# Altium PCB linux_corePCB.PcbDoc (continued)
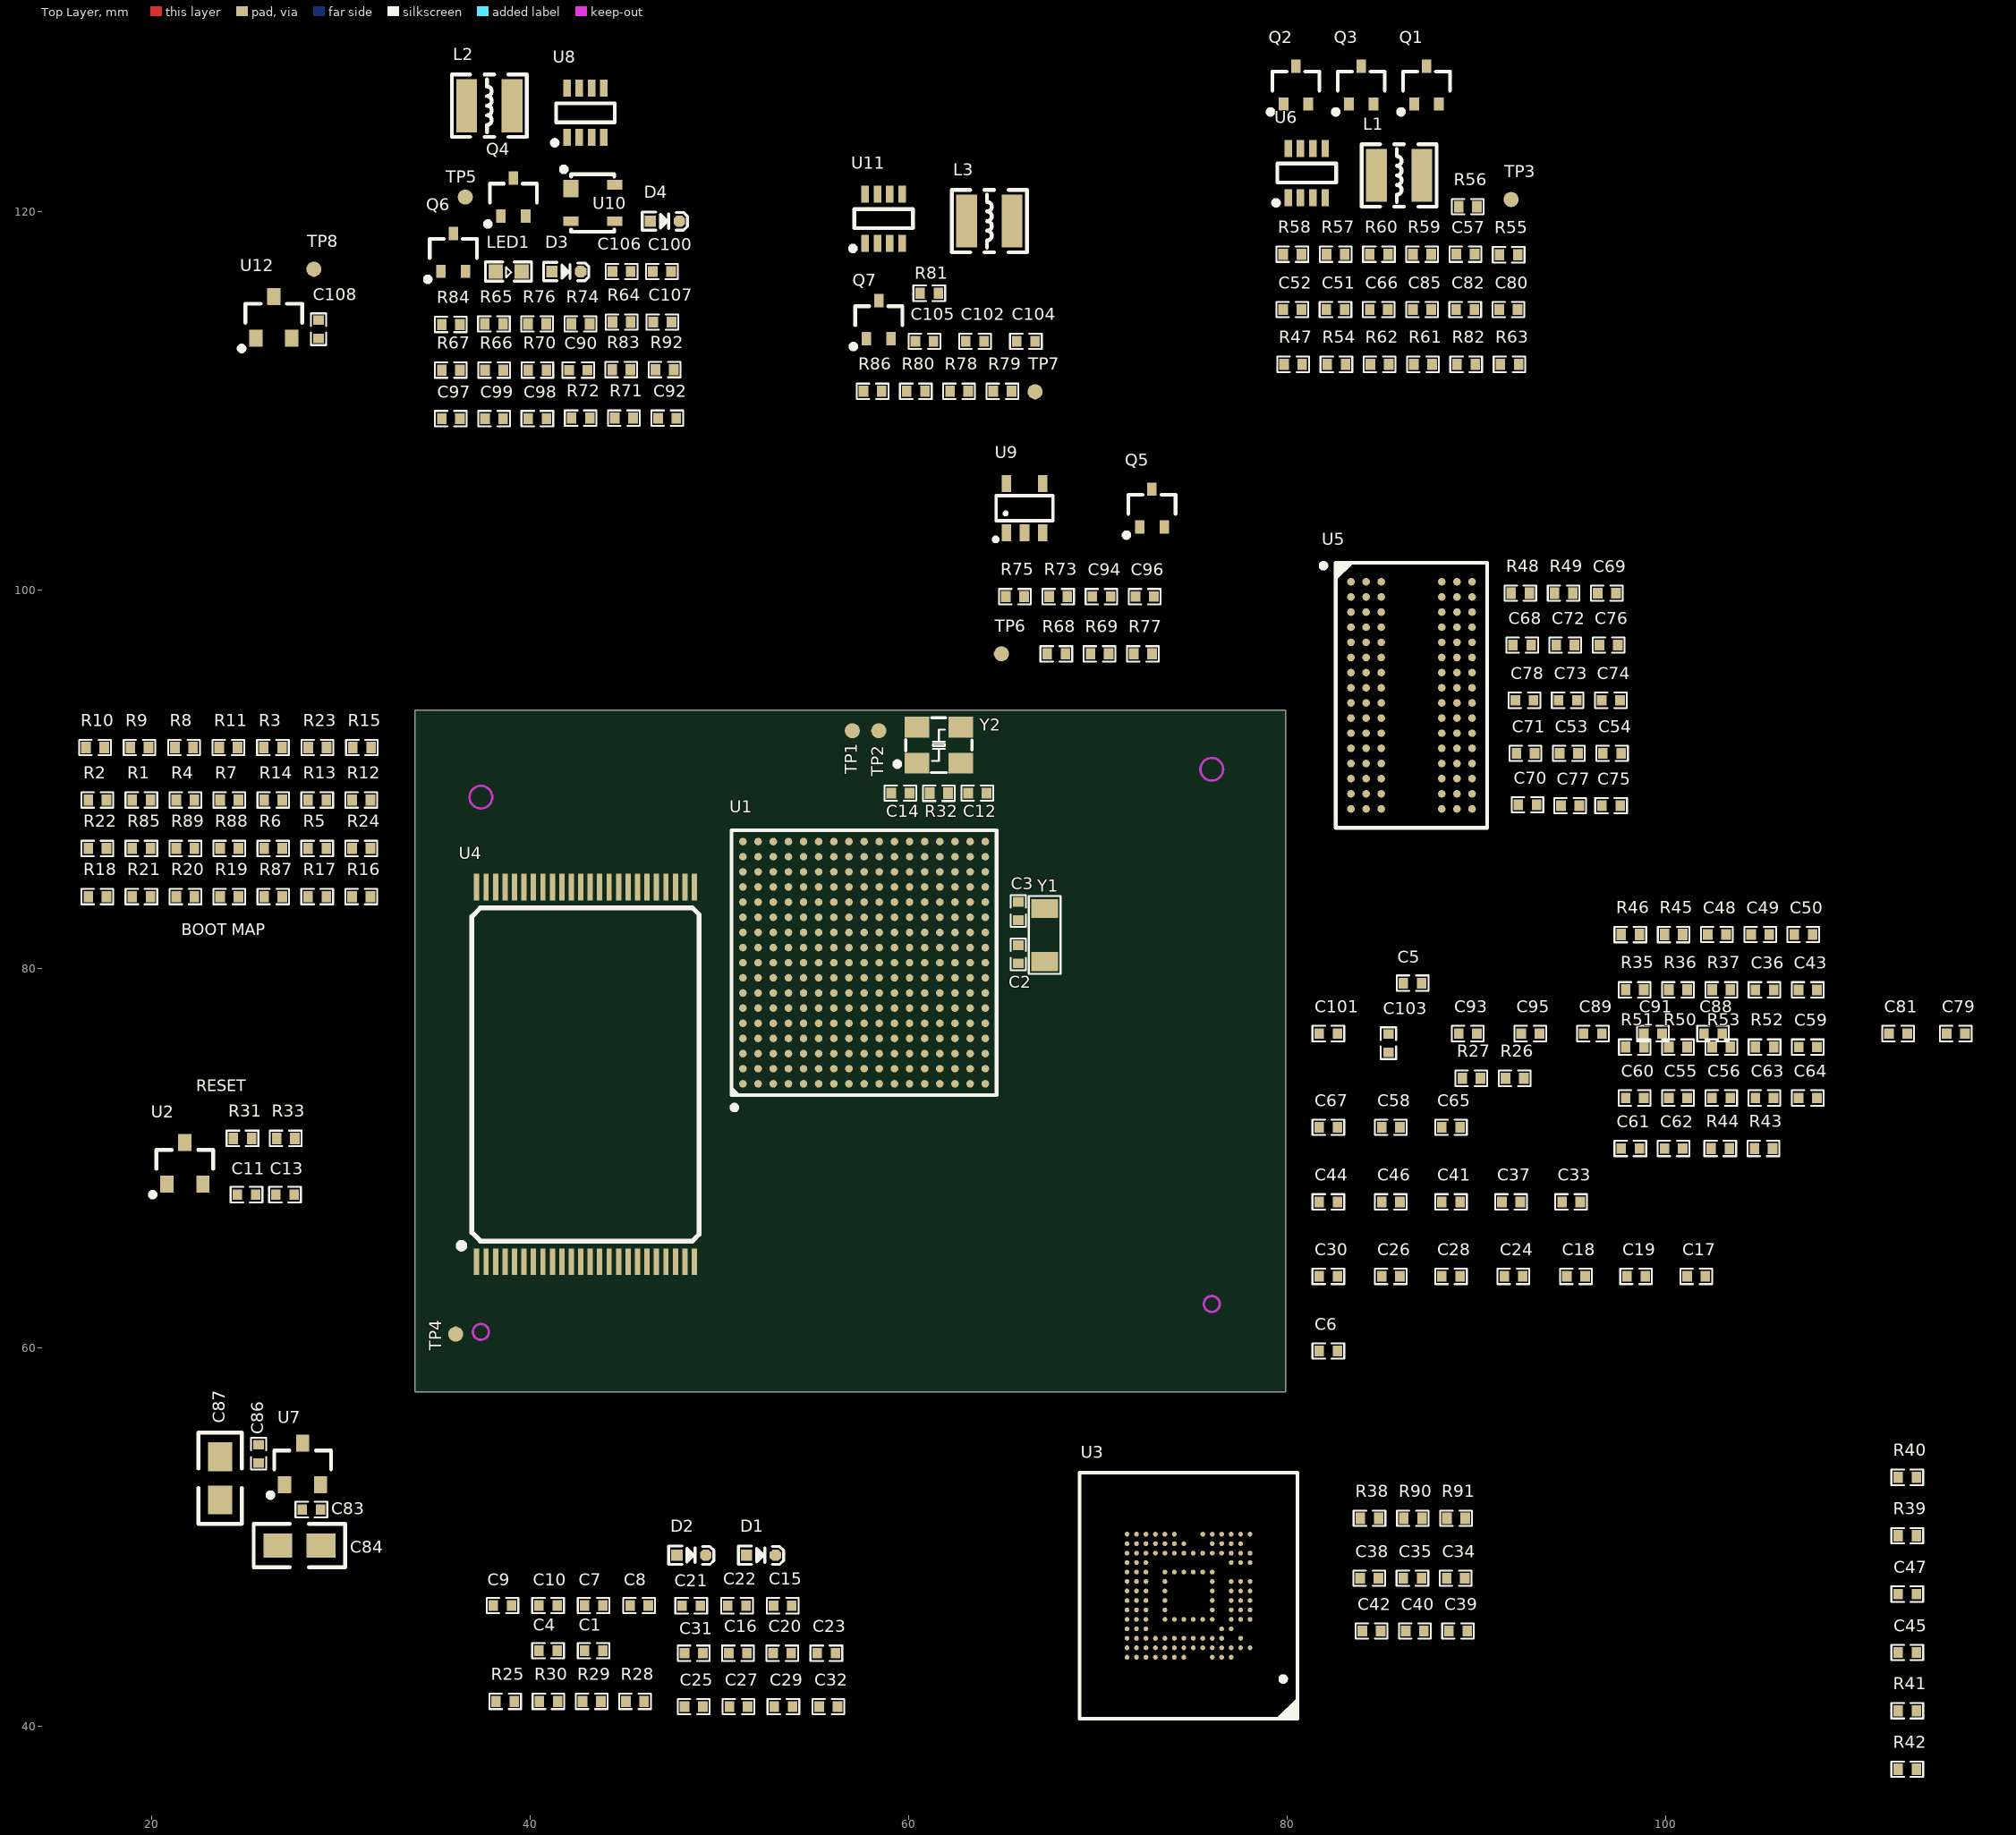
[diagram p0: Top Layer view]
## Components (designator, comment, footprint, x,y, rotation, side; value= is the part's Value field where it differs from the comment) (continued)
TP5 "DC3V3" TP-1.0 36.576,120.777 r0 top
TP6 "NVCC_SD" TP-1.0 64.897,96.647 r0 top
TP7 "1V35" TP-1.0 66.675,110.49 r0 top
TP8 "VCC_CSI" TP-1.0 28.575,116.967 r0 top
U1 "MCIMX6Y2CVM05AB" BGA289C80P17X17_1400X1400X132 57.645,80.327 r90 top
U2 "NCP803SN293T1G" SOT23-3L 21.762,69.724 r0 top
U3 "KLM8G1GETF" "BGA169  EMMC" 74.783,46.883 r180 top
U4 "MT29F4G08ABADAWP-IT" TSOP48 42.926,74.422 r90 top
U5 "NT5CC256M16EP-EK" BGA96 86.561,94.452 r0 top
U6 "MP2144" SOT23-8L 81.026,122.047 r0 top
U7 "xc6206-3V3" SOT23-3L 27.985,53.849 r0 top
U8 "MP2144" SOT23-8L 42.926,125.222 r0 top
U9 "UM1750S-00" SOT23-5L 66.119,104.341 r0 top
U10 "UM805RE" SOT143 42.164,121.227 r0 top
U11 "MP2144" SOT23-8L 58.674,119.634 r0 top
U12 "xc6206-2V8" SOT23-3L 26.461,114.428 r0 top
Y1 "32.768KHz" XTAL-3215 67.183,81.788 r270 top
Y2 "24MHz" XTAL-3225 61.595,91.821 r0 top

## Footprints (in the part's own frame and the unit in brackets; to place one, negate y for a bottom-side part, rotate by r counter-clockwise, add the part's x,y. Pads: shape width x height; smd on the part's side, far side on the other; paste and mask are expansions set on the pad)
3710F060046G3FT01 [mm]
  rect 1.7x0.35 smd: 1(-4.7,0) 2(-4.7,-0.8) 3(-4.7,-1.6) 4(-4.7,-2.4) 5(-4.7,-3.2) 6(-4.7,-4) 7(-4.7,-4.8) 8(-4.7,-5.6) 9(-4.7,-6.4) 10(-4.7,-7.2) 11(-4.7,-8) 12(-4.7,-8.8) 13(-4.7,-9.6) 14(-4.7,-10.4) 15(-4.7,-11.2) 16(-4.7,-12) 17(-4.7,-12.8) 18(-4.7,-13.6) 19(-4.7,-14.4) 20(-4.7,-15.2) 21(-4.7,-16) 22(-4.7,-16.8) 23(-4.7,-17.6) 24(-4.7,-18.4) 25(-4.7,-19.2) 26(-4.7,-20) 27(-4.7,-20.8) 28(-4.7,-21.6) 29(-4.7,-22.4) 30(-4.7,-23.2) 31(0,-23.2) 32(0,-22.4) 33(0,-21.6) 34(0,-20.8) 35(0,-20) 36(0,-19.2) 37(0,-18.4) 38(0,-17.6) 39(0,-16.8) 40(0,-16) 41(0,-15.2) 42(0,-14.4) 43(0,-13.6) 44(0,-12.8) 45(0,-12) 46(0,-11.2) 47(0,-10.4) 48(0,-9.6) 49(0,-8.8) 50(0,-8) 51(0,-7.2) 52(0,-6.4) 53(0,-5.6) 54(0,-4.8) 55(0,-4) 56(0,-3.2) 57(0,-2.4) 58(0,-1.6) 59(0,-0.8) 60(0,0)
  Keep-Out Layer circle w0.127: c-2.35,-25.725 r0.6
  Keep-Out Layer circle w0.127: c-2.35,2.525 r0.42
  silkscreen extent -5.35,-26.47 0.65,3.27
BGA96 [mm]
  round 0.4 smd: A1(-3.2,6) A2(-2.4,6) A3(-1.6,6) A7(1.6,6) A8(2.4,6) A9(3.2,6) B1(-3.2,5.2) B2(-2.4,5.2) B3(-1.6,5.2) B7(1.6,5.2) B8(2.4,5.2) B9(3.2,5.2) C1(-3.2,4.4) C2(-2.4,4.4) C3(-1.6,4.4) C7(1.6,4.4) C8(2.4,4.4) C9(3.2,4.4) D1(-3.2,3.6) D2(-2.4,3.6) D3(-1.6,3.6) D7(1.6,3.6) D8(2.4,3.6) D9(3.2,3.6) E1(-3.2,2.8) E2(-2.4,2.8) E3(-1.6,2.8) E7(1.6,2.8) E8(2.4,2.8) E9(3.2,2.8) F1(-3.2,2) F2(-2.4,2) F3(-1.6,2) F7(1.6,2) F8(2.4,2) F9(3.2,2) G1(-3.2,1.2) G2(-2.4,1.2) G3(-1.6,1.2) G7(1.6,1.2) G8(2.4,1.2) G9(3.2,1.2) H1(-3.2,0.4) H2(-2.4,0.4) H3(-1.6,0.4) H7(1.6,0.4) H8(2.4,0.4) H9(3.2,0.4) J1(-3.2,-0.4) J2(-2.4,-0.4) J3(-1.6,-0.4) J7(1.6,-0.4) J8(2.4,-0.4) J9(3.2,-0.4) K1(-3.2,-1.2) K2(-2.4,-1.2) K3(-1.6,-1.2) K7(1.6,-1.2) K8(2.4,-1.2) K9(3.2,-1.2) L1(-3.2,-2) L2(-2.4,-2) L3(-1.6,-2) L7(1.6,-2) L8(2.4,-2) L9(3.2,-2) M1(-3.2,-2.8) M2(-2.4,-2.8) M3(-1.6,-2.8) M7(1.6,-2.8) M8(2.4,-2.8) M9(3.2,-2.8) N1(-3.2,-3.6) N2(-2.4,-3.6) N3(-1.6,-3.6) N7(1.6,-3.6) N8(2.4,-3.6) N9(3.2,-3.6) P1(-3.2,-4.4) P2(-2.4,-4.4) P3(-1.6,-4.4) P7(1.6,-4.4) P8(2.4,-4.4) P9(3.2,-4.4) R1(-3.2,-5.2) R2(-2.4,-5.2) R3(-1.6,-5.2) R7(1.6,-5.2) R8(2.4,-5.2) R9(3.2,-5.2) T1(-3.2,-6) T2(-2.4,-6) T3(-1.6,-6) T7(1.6,-6) T8(2.4,-6) T9(3.2,-6)
  silkscreen extent -4.77,-7 4,7, body extent -4,-7 4,7, height 1.2
"BGA169  EMMC" [mm]
  round 0.25 smd: A3(-2.25,3.25) A4(-1.75,3.25) A5(-1.25,3.25) A8(0.25,3.25) A9(0.75,3.25) A10(1.25,3.25) A11(1.75,3.25) A12(2.25,3.25) A13(2.75,3.25) A14(3.25,3.25) B1(-3.25,2.75) B2(-2.75,2.75) B3(-2.25,2.75) B4(-1.75,2.75) B5(-1.25,2.75) B6(-0.75,2.75) B7(-0.25,2.75) B8(0.25,2.75) B9(0.75,2.75) B10(1.25,2.75) B11(1.75,2.75) B12(2.25,2.75) B13(2.75,2.75) B14(3.25,2.75) C2(-2.75,2.25) C4(-1.75,2.25) C5(-1.25,2.25) C6(-0.75,2.25) C7(-0.25,2.25) C8(0.25,2.25) C9(0.75,2.25) C10(1.25,2.25) C11(1.75,2.25) C12(2.25,2.25) C13(2.75,2.25) C14(3.25,2.25) D3(-2.25,1.75) D4(-1.75,1.75) D12(2.25,1.75) D13(2.75,1.75) D14(3.25,1.75) E1(-3.25,1.25) E2(-2.75,1.25) E3(-2.25,1.25) E5(-1.25,1.25) E6(-0.75,1.25) E7(-0.25,1.25) E8(0.25,1.25) E9(0.75,1.25) E10(1.25,1.25) E12(2.25,1.25) E13(2.75,1.25) E14(3.25,1.25) F1(-3.25,0.75) F2(-2.75,0.75) F3(-2.25,0.75) F5(-1.25,0.75) F10(1.25,0.75) F12(2.25,0.75) F13(2.75,0.75) F14(3.25,0.75) G1(-3.25,0.25) G2(-2.75,0.25) G3(-2.25,0.25) G5(-1.25,0.25) G10(1.25,0.25) G12(2.25,0.25) G13(2.75,0.25) G14(3.25,0.25) H1(-3.25,-0.25) H2(-2.75,-0.25) H3(-2.25,-0.25) H5(-1.25,-0.25) H10(1.25,-0.25) H12(2.25,-0.25) H13(2.75,-0.25) H14(3.25,-0.25) J1(-3.25,-0.75) J2(-2.75,-0.75) J3(-2.25,-0.75) J5(-1.25,-0.75) J10(1.25,-0.75) J12(2.25,-0.75) J13(2.75,-0.75) J14(3.25,-0.75) K5(-1.25,-1.25) K6(-0.75,-1.25) K7(-0.25,-1.25) K8(0.25,-1.25) K9(0.75,-1.25) K10(1.25,-1.25) K12(2.25,-1.25) K13(2.75,-1.25) K14(3.25,-1.25) L1(-3.25,-1.75) L2(-2.75,-1.75) L3(-2.25,-1.75) L12(2.25,-1.75) L13(2.75,-1.75) L14(3.25,-1.75) M1(-3.25,-2.25) M2(-2.75,-2.25) M3(-2.25,-2.25) M4(-1.75,-2.25) M5(-1.25,-2.25) M6(-0.75,-2.25) M7(-0.25,-2.25) M8(0.25,-2.25) M9(0.75,-2.25) M10(1.25,-2.25) M11(1.75,-2.25) M12(2.25,-2.25) M13(2.75,-2.25) M14(3.25,-2.25) N2(-2.75,-2.75) N3(-2.25,-2.75) N4(-1.75,-2.75) N5(-1.25,-2.75) N8(0.25,-2.75) N9(0.75,-2.75) N10(1.25,-2.75) N11(1.75,-2.75) N12(2.25,-2.75) N13(2.75,-2.75) N14(3.25,-2.75) P1(-3.25,-3.25) P2(-2.75,-3.25) P3(-2.25,-3.25) P4(-1.75,-3.25) P5(-1.25,-3.25) P6(-0.75,-3.25) P9(0.75,-3.25) P10(1.25,-3.25) P11(1.75,-3.25) P12(2.25,-3.25) P13(2.75,-3.25) P14(3.25,-3.25)
  silkscreen extent -5.75,-6.5 5.75,6.5
BGA289C80P17X17_1400X1400X132 [mm]
  round 0.4 smd: A1(-6.4,6.4) A2(-5.6,6.4) A3(-4.8,6.4) A4(-4,6.4) A5(-3.2,6.4) A6(-2.4,6.4) A7(-1.6,6.4) A8(-0.8,6.4) A9(0,6.4) A10(0.8,6.4) A11(1.6,6.4) A12(2.4,6.4) A13(3.2,6.4) A14(4,6.4) A15(4.8,6.4) A16(5.6,6.4) A17(6.4,6.4) B1(-6.4,5.6) B2(-5.6,5.6) B3(-4.8,5.6) B4(-4,5.6) B5(-3.2,5.6) B6(-2.4,5.6) B7(-1.6,5.6) B8(-0.8,5.6) B9(0,5.6) B10(0.8,5.6) B11(1.6,5.6) B12(2.4,5.6) B13(3.2,5.6) B14(4,5.6) B15(4.8,5.6) B16(5.6,5.6) B17(6.4,5.6) C1(-6.4,4.8) C2(-5.6,4.8) C3(-4.8,4.8) C4(-4,4.8) C5(-3.2,4.8) C6(-2.4,4.8) C7(-1.6,4.8) C8(-0.8,4.8) C9(0,4.8) C10(0.8,4.8) C11(1.6,4.8) C12(2.4,4.8) C13(3.2,4.8) C14(4,4.8) C15(4.8,4.8) C16(5.6,4.8) C17(6.4,4.8) D1(-6.4,4) D2(-5.6,4) D3(-4.8,4) D4(-4,4) D5(-3.2,4) D6(-2.4,4) D7(-1.6,4) D8(-0.8,4) D9(0,4) D10(0.8,4) D11(1.6,4) D12(2.4,4) D13(3.2,4) D14(4,4) D15(4.8,4) D16(5.6,4) D17(6.4,4) E1(-6.4,3.2) E2(-5.6,3.2) E3(-4.8,3.2) E4(-4,3.2) E5(-3.2,3.2) E6(-2.4,3.2) E7(-1.6,3.2) E8(-0.8,3.2) E9(0,3.2) E10(0.8,3.2) E11(1.6,3.2) E12(2.4,3.2) E13(3.2,3.2) E14(4,3.2) E15(4.8,3.2) E16(5.6,3.2) E17(6.4,3.2) F1(-6.4,2.4) F2(-5.6,2.4) F3(-4.8,2.4) F4(-4,2.4) F5(-3.2,2.4) F6(-2.4,2.4) F7(-1.6,2.4) F8(-0.8,2.4) F9(0,2.4) F10(0.8,2.4) F11(1.6,2.4) F12(2.4,2.4) F13(3.2,2.4) F14(4,2.4) F15(4.8,2.4) F16(5.6,2.4) F17(6.4,2.4) G1(-6.4,1.6) G2(-5.6,1.6) G3(-4.8,1.6) G4(-4,1.6) G5(-3.2,1.6) G6(-2.4,1.6) G7(-1.6,1.6) G8(-0.8,1.6) G9(0,1.6) G10(0.8,1.6) G11(1.6,1.6) G12(2.4,1.6) G13(3.2,1.6) G14(4,1.6) G15(4.8,1.6) G16(5.6,1.6) G17(6.4,1.6) H1(-6.4,0.8) H2(-5.6,0.8) H3(-4.8,0.8) H4(-4,0.8) H5(-3.2,0.8) H6(-2.4,0.8) H7(-1.6,0.8) H8(-0.8,0.8) H9(0,0.8) H10(0.8,0.8) H11(1.6,0.8) H12(2.4,0.8) H13(3.2,0.8) H14(4,0.8) H15(4.8,0.8) H16(5.6,0.8) H17(6.4,0.8) J1(-6.4,0) J2(-5.6,0) J3(-4.8,0) J4(-4,0) J5(-3.2,0) J6(-2.4,0) J7(-1.6,0) J8(-0.8,0) J9(0,0) J10(0.8,0) J11(1.6,0) J12(2.4,0) J13(3.2,0) J14(4,0) J15(4.8,0) J16(5.6,0) J17(6.4,0) K1(-6.4,-0.8) K2(-5.6,-0.8) K3(-4.8,-0.8) K4(-4,-0.8) K5(-3.2,-0.8) K6(-2.4,-0.8) K7(-1.6,-0.8) K8(-0.8,-0.8) K9(0,-0.8) K10(0.8,-0.8) K11(1.6,-0.8) K12(2.4,-0.8) K13(3.2,-0.8) K14(4,-0.8) K15(4.8,-0.8) K16(5.6,-0.8) K17(6.4,-0.8) L1(-6.4,-1.6) L2(-5.6,-1.6) L3(-4.8,-1.6) L4(-4,-1.6) L5(-3.2,-1.6) L6(-2.4,-1.6) L7(-1.6,-1.6) L8(-0.8,-1.6) L9(0,-1.6) L10(0.8,-1.6) L11(1.6,-1.6) L12(2.4,-1.6) L13(3.2,-1.6) L14(4,-1.6) L15(4.8,-1.6) L16(5.6,-1.6) L17(6.4,-1.6) M1(-6.4,-2.4) M2(-5.6,-2.4) M3(-4.8,-2.4) M4(-4,-2.4) M5(-3.2,-2.4) M6(-2.4,-2.4) M7(-1.6,-2.4) M8(-0.8,-2.4) M9(0,-2.4) M10(0.8,-2.4) M11(1.6,-2.4) M12(2.4,-2.4) M13(3.2,-2.4) M14(4,-2.4) M15(4.8,-2.4) M16(5.6,-2.4) M17(6.4,-2.4) N1(-6.4,-3.2) N2(-5.6,-3.2) N3(-4.8,-3.2) N4(-4,-3.2) N5(-3.2,-3.2) N6(-2.4,-3.2) N7(-1.6,-3.2) N8(-0.8,-3.2) N9(0,-3.2) N10(0.8,-3.2) N11(1.6,-3.2) N12(2.4,-3.2) N13(3.2,-3.2) N14(4,-3.2) N15(4.8,-3.2) N16(5.6,-3.2) N17(6.4,-3.2) P1(-6.4,-4) P2(-5.6,-4) P3(-4.8,-4) P4(-4,-4) P5(-3.2,-4) P6(-2.4,-4) P7(-1.6,-4) P8(-0.8,-4) P9(0,-4) P10(0.8,-4) P11(1.6,-4) P12(2.4,-4) P13(3.2,-4) P14(4,-4) P15(4.8,-4) P16(5.6,-4) P17(6.4,-4) R1(-6.4,-4.8) R2(-5.6,-4.8) R3(-4.8,-4.8) R4(-4,-4.8) R5(-3.2,-4.8) R6(-2.4,-4.8) R7(-1.6,-4.8) R8(-0.8,-4.8) R9(0,-4.8) R10(0.8,-4.8) R11(1.6,-4.8) R12(2.4,-4.8) R13(3.2,-4.8) R14(4,-4.8) R15(4.8,-4.8) R16(5.6,-4.8) R17(6.4,-4.8) T1(-6.4,-5.6) T2(-5.6,-5.6) T3(-4.8,-5.6) T4(-4,-5.6) T5(-3.2,-5.6) T6(-2.4,-5.6) T7(-1.6,-5.6) T8(-0.8,-5.6) T9(0,-5.6) T10(0.8,-5.6) T11(1.6,-5.6) T12(2.4,-5.6) T13(3.2,-5.6) T14(4,-5.6) T15(4.8,-5.6) T16(5.6,-5.6) T17(6.4,-5.6) U1(-6.4,-6.4) U2(-5.6,-6.4) U3(-4.8,-6.4) U4(-4,-6.4) U5(-3.2,-6.4) U6(-2.4,-6.4) U7(-1.6,-6.4) U8(-0.8,-6.4) U9(0,-6.4) U10(0.8,-6.4) U11(1.6,-6.4) U12(2.4,-6.4) U13(3.2,-6.4) U14(4,-6.4) U15(4.8,-6.4) U16(5.6,-6.4) U17(6.4,-6.4)
  silkscreen extent -7.77,-7 7,7, body extent -7,-7 7,7, height 1.32
"C 0402" [mil]
  rect 20x22 smd: 1(-19,0) 2(19,0)
  silkscreen extent -33,-16 33,16, body extent -20,-10 20,10, height 20
"C 0805" [mil] "2.0mmx1.2mm（蒜米工坊）"
  rect 60x50 smd: 1(0,0) 2(90,0)
  silkscreen extent -50,-45 140,45, body extent 5,-25 83,25, height 22
"LED 0603B" [mil]
  rect 30x30 smd: 1(-27,0) 2(27.5,-0.06)
  silkscreen extent -48,-20 48,20, body extent -31,-16 32,16, height 24
NR3015 [mm]
  rect 1.1x2.8 smd: 1(-1.2,0) 2(1.2,0)
  silkscreen extent -1.98,-1.65 1.98,1.65, body extent -1.5,-1.5 1.5,1.5, height 1.45
"R 0402" [mil]
  rect 20x23.62 smd mask+2: 1(-19,0) 2(19,0)
  silkscreen extent -33,-16 33,16, body extent -20,-10 20,10, height 12
SC70-3L [mm]
  rect 0.5x0.7 smd: 1(0.65,-1) 2(-0.65,-1) 3(0,1)
  silkscreen extent -1.47,-1.55 1.24,0.71, body extent -1.09,-1.15 1.11,1.1, height 1.1
SOD-523 [mm]
  rect 0.6x0.6 smd: 1(-0.762,0)
  oct 0.6x0.6 smd: 2(0.762,0)
  silkscreen extent -1.19,-0.48 1.19,0.48, body extent -0.8,-0.4 0.8,0.4, height 0.65
SOT23-3L [mm]
  rect 0.7x0.9 smd: 1(-0.95,-1.1) 2(0.95,-1.1) 3(0,1.1)
  silkscreen extent -1.82,-1.78 1.5,0.71, body extent -1.5,-1.19 1.5,1.21, height 1.05
SOT23-5L [mm]
  rect 0.5x0.9 smd: 1(-0.95,-1.3) 2(0,-1.3) 3(0.95,-1.3) 4(0.95,1.3) 5(-0.95,1.3)
  silkscreen extent -1.6,-1.73 1.5,0.66, body extent -1.5,-1.4 1.5,1.4, height 1.15
SOT23-8L [mm]
  rect 0.4x0.9 smd: 1(-0.975,-1.3) 2(-0.325,-1.3) 3(0.325,-1.3) 4(0.975,-1.3) 5(0.975,1.3) 6(0.325,1.3) 7(-0.325,1.3) 8(-0.975,1.3)
  silkscreen extent -1.75,-1.7 1.55,0.51, body extent -1.5,-1.4 1.5,1.4, height 1.15
SOT143 [mm]
  rect 0.8x0.9 smd: 1(0,0)
  rect 0.8x0.5 smd: 2(0,-1.72) 3(2.3,-1.72) 4(2.3,0.2)
  silkscreen extent -0.51,-2.29 2.29,1.14
TP-1.0 [mm]
  round 0.8 smd: 1(0,0)
TSOP48 [mm]
  rect 1.4x0.28 smd: 1(-9.9,5.75) 2(-9.9,5.25) 3(-9.9,4.75) 4(-9.9,4.25) 5(-9.9,3.75) 6(-9.9,3.25) 7(-9.9,2.75) 8(-9.9,2.25) 9(-9.9,1.75) 10(-9.9,1.25) 11(-9.9,0.75) 12(-9.9,0.25) 13(-9.9,-0.25) 14(-9.9,-0.75) 15(-9.9,-1.25) 16(-9.9,-1.75) 17(-9.9,-2.25) 18(-9.9,-2.75) 19(-9.9,-3.25) 20(-9.9,-3.75) 21(-9.9,-4.25) 22(-9.9,-4.75) 23(-9.9,-5.25) 24(-9.9,-5.75) 25(9.9,-5.75) 26(9.9,-5.25) 27(9.9,-4.75) 28(9.9,-4.25) 29(9.9,-3.75) 30(9.9,-3.25) 31(9.9,-2.75) 32(9.9,-2.25) 33(9.9,-1.75) 34(9.9,-1.25) 35(9.9,-0.75) 36(9.9,-0.25) 37(9.9,0.25) 38(9.9,0.75) 39(9.9,1.25) 40(9.9,1.75) 41(9.9,2.25) 42(9.9,2.75) 43(9.9,3.25) 44(9.9,3.75) 45(9.9,4.25) 46(9.9,4.75) 47(9.9,5.25) 48(9.9,5.75)
  silkscreen extent -9.2,-6 8.8,6.7, body extent -10.07,-6.1 10.13,6.1, height 1.2
XTAL-3215 [mm]
  rect 1x1.4 smd: 1(-1.4,0) 2(1.4,0)
  silkscreen extent -2.06,-0.84 2.06,0.84, body extent -1.6,-0.75 1.6,0.75, height 0.81
XTAL-3225 [mm]
  rect 1.3x1.1 smd: 1(-1.15,-0.95) 2(1.15,-0.95) 3(1.15,0.95) 4(-1.15,0.95)
  silkscreen extent -2.33,-1.45 1.75,1.45, body extent -1.6,-1.24 1.6,1.26, height 0.8

## Part data
C1 C2 C3 C4 C5 C6 C7 C8 C9 C10 C11 C12 C13 C14 C15 C16 C17 C18 C19 C20 C21 C22 C23 C24 C25 C26 C27 C28 C29 C30 C31 C32 C33 C34 C35 C36 C37 C38 C39 C40 C41 C42 C43 C44 C45 C46 C47 C48 C49 C50 C51 C52 C53 C54 C55 C56 C57 C58 C59 C60 C61 C62 C63 C64 C65 C66 C67 C68 C69 C70 C71 C72 C73 C74 C75 C76 C77 C78 C79 C80 C81 C82 C83 C84 C85 C86 C87 C88 C89 C90 C91 C92 C93 C94 C95 C96 C97 C98 C99 C100 C101 C102 C103 C104 C105 C106 C107 C108: library part C
J1 J2: library part 3710F, "3710F060046G3FT01"
L1 L2 L3: library part L
LED1: library part LED-SMD, "贴片LED", BOM名称=贴片LED, 学习资源=www.ooocke.com, 版权归属=源创客
Q1 Q2 Q3 Q4 Q5 Q6 Q7: "N沟场效应管  30V,0.1A", BOM名称=N沟场效应管, 学习资源=www.ooocke.com, 版权归属=源创客
R1 R2 R3 R4 R5 R6 R7 R8 R9 R10 R11 R12 R13 R14 R15 R16 R17 R18 R19 R20 R21 R22 R23 R24 R25 R26 R27 R28 R29 R30 R31 R32 R33 R35 R36 R37 R38 R39 R40 R41 R42 R43 R44 R45 R46 R47 R48 R49 R50 R51 R52 R53 R54 R55 R56 R57 R58 R59 R60 R61 R62 R63 R64 R65 R66 R67 R68 R69 R70 R71 R72 R73 R74 R75 R76 R77 R78 R79 R80 R81 R82 R83 R84 R85 R86 R87 R88 R89 R90 R91 R92: library part R
TP1 TP2 TP3 TP4 TP5 TP6 TP7 TP8: library part TEST-POINT, "测试点"
U3: library part THGBM4G5D1HBAIR/4GB
U4: library part MT29F16G16G08CBACA
U5: library part MT41K256M16TW
U11: library part MP2159
U12: library part xc6206-3V3
Y1: library part XTAL, "普通晶振", LatestRevisionDate=17-Jul-2002, LatestRevisionNote="Re-released for DXP Platform.", Published=8-Jun-2000, Publisher="Altium Limited"
Y2: library part XTAL_3225, "3225贴片无源晶振"

## Nets (pads, with @x,y where several pads share a name; then routed paths per layer and width w, separated by ;. In a path a pad name is that pad's centre, name@x,y a point inside that pad or via, vN(x,y) a via of type N, cw(c..) or ccw(c..) an arc to the next point about the centre after c; other vN are vias at no path point)
ACC_INT: J2.6 U1.R10
AP_INT: J2.49 U1.L15
AUD_INT: J2.3 U1.P9
BEEP: J2.5 U1.R9
BLT_PWM: J2.16 U1.N17
BOOT_MODE0: J2.7 U1.T10
BOOT_MODE1: J2.8 U1.U10
BT_CFG10: J1.7 R2.1 R4.2 U1.B9
BT_CFG11: J1.8 R3.1 R87.2 U1.A9
BT_CFG12: J1.9 R5.2 U1.E10
BT_CFG13: J1.10 R6.1 U1.D10
BT_CFG14: J1.11 R88.1 U1.C10
BT_CFG15: J1.12 R7.1 U1.B10
BT_CFG16: J1.13 R8.1 U1.A10
BT_CFG17: J1.14 R9.1 U1.D11
BT_CFG20: J1.15 R10.1 U1.B11
BT_CFG21: J1.16 R11.1 U1.A11
BT_CFG22: J1.17 R12.1 U1.E12
BT_CFG23: J1.18 R89.1 U1.D12
BT_CFG24: J1.19 R13.1 U1.C12
BT_CFG25: J1.20 R1.1 R14.1 U1.B12
BT_CFG26: J1.21 R15.1 R85.1 U1.A12
BT_CFG27: J1.22 R16.1 U1.D13
BT_CFG40: J1.23 R17.1 U1.C13
BT_CFG41: J1.24 R18.1 U1.B13
BT_CFG42: J1.25 R19.1 U1.A13
BT_CFG43: J1.26 R20.1 U1.D14
BT_CFG44: J1.27 R21.1 U1.C14
BT_CFG45: J1.28 R22.1 U1.B14
BT_CFG46: J1.29 R23.1 U1.A14
BT_CFG47: J1.30 R24.1 U1.B16
CAN1_RX: J2.35 U1.G14
CAN1_TX: J2.36 U1.H15
CAN2_RX: J2.40 U1.H14
CAN2_TX: J2.39 U1.J15
CLK1_N: TP2.1 U1.P16
CLK1_P: TP1.1 U1.P17
CSI_DATA0: J1.56 U1.E4
CSI_DATA1: J1.57 U1.E3
CSI_DATA2: J1.3 U1.E2
CSI_DATA3: J1.59 U1.E1
CSI_DATA4: J1.55 U1.D4
CSI_DATA5: J1.6 U1.D3
CSI_DATA6: J1.4 U1.D2
CSI_DATA7: J1.58 U1.D1
CSI_HSYNC: J1.1 U1.F3
CSI_MCLK: J1.2 U1.F5
CSI_PIXCLK: J1.5 U1.E5
CSI_PWDN: J2.14 U1.M16
CSI_RESET: J2.13 U1.L14
CSI_VSYNC: J1.60 U1.F2
CT_INT: J2.15 U1.M15
CT_RST: J1.48 U1.R6
DC5V: C79.2 C80.2 C86.2 C87.2 C91.2 C95.2 C96.2 C101.2 C102.2 C106.2 C108.2 J2.1 J2.2 U6.2 U7.3 U8.2 U9.1 U11.2 U12.3
DCDC_3V3: C1.2 C33.2 C34.2 C35.2 C36.1 C37.2 C38.2 C39.2 C40.2 C44.2 C45.2 C46.2 C47.2 C48.1 C49.1 C50.2 C88.2 R1.2 R2.2 R3.2 R31.1 R40.2 R41.2 R42.2 R77.2 R83.1 R84.2 R85.2 R90.2 R91.2 R92.2 TP8.1 U1.E7 U1.E13 U1.F13 U1.H13 U1.J13 U1.M13 U3.C6 U3.E6 U3.F5 U3.J10 U3.K9 U3.M4 U3.N4 U3.P3 U3.P5 U4.12 U4.37 U4.39 U12.2
DCDC_3V3_PG: C107.2 R60.1 R71.1 R79.2 R92.1 U9.3
DISCHG_EN: C98.2 Q2.2 Q4.2 Q7.2 R72.1
DRAM_1V35: C57.2 C58.2 C59.2 C60.2 C61.2 C62.2 C63.2 C64.2 C65.2 C67.2 C68.2 C69.2 C70.2 C71.2 C72.2 C73.2 C74.2 C75.2 C76.2 C77.2 C78.2 R54.2 R86.2 U1.G6 U1.H6 U1.J6 U1.K6 U1.L6 U1.M6 U5.A1 U5.A8 U5.B2 U5.C1 U5.C9 U5.D2 U5.D9 U5.E9 U5.F1 U5.G7 U5.H2 U5.H9 U5.K2 U5.K8 U5.N1 U5.N9 U5.R1 U5.R9
DRAM_ADDR0: U1.L5 U5.N3
DRAM_ADDR1: U1.H2 U5.P7
DRAM_ADDR2: U1.K1 U5.P3
DRAM_ADDR3: U1.M2 U5.N2
DRAM_ADDR4: U1.K4 U5.P8
DRAM_ADDR5: U1.L1 U5.P2
DRAM_ADDR6: U1.G2 U5.R8
DRAM_ADDR7: U1.H4 U5.R2
DRAM_ADDR8: U1.J4 U5.T8
DRAM_ADDR9: U1.L2 U5.R3
DRAM_ADDR10: U1.M4 U5.L7
DRAM_ADDR11: U1.K3 U5.R7
DRAM_ADDR12: U1.L4 U5.N7
DRAM_ADDR13: U1.H3 U5.T3
DRAM_ADDR14: U1.G1 U5.T7
DRAM_ADDR15: U1.K5 U5.M7
DRAM_CAS_B: U1.J2 U5.K3
DRAM_CS0_B: U1.N2 U5.L2
DRAM_CS1_B: U1.H5 U5.L1
DRAM_DATA0: U1.T4 U5.E3
DRAM_DATA1: U1.U6 U5.F7
DRAM_DATA2: U1.T6 U5.F2
DRAM_DATA3: U1.U7 U5.F8
DRAM_DATA4: U1.U8 U5.H3
DRAM_DATA5: U1.T8 U5.H8
DRAM_DATA6: U1.T5 U5.G2
DRAM_DATA7: U1.U4 U5.H7
DRAM_DATA8: U1.U2 U5.D7
DRAM_DATA9: U1.U3 U5.C3
DRAM_DATA10: U1.U5 U5.C8
DRAM_DATA11: U1.R4 U5.C2
DRAM_DATA12: U1.P5 U5.A7
DRAM_DATA13: U1.P3 U5.A2
DRAM_DATA14: U1.R2 U5.B8
DRAM_DATA15: U1.R1 U5.A3
DRAM_DQM0: U1.T7 U5.E7
DRAM_DQM1: U1.T3 U5.D3
DRAM_ODT0: U1.N1 U5.K1
DRAM_ODT1: U1.F1 U5.J1
DRAM_RAS_B: U1.M5 U5.J3
DRAM_RESET_B: R52.2 U1.G4 U5.T2
DRAM_SDBA0: U1.M1 U5.M2
DRAM_SDBA1: U1.H1 U5.N8
DRAM_SDBA2: U1.K2 U5.M3
DRAM_SDCKE0: R51.2 U1.M3 U5.K9
DRAM_SDCKE1: R50.2 U1.J3 U5.J9
DRAM_SDCLK0_N: C51.1 C52.1 R47.1 U1.P2 U5.K7
DRAM_SDCLK0_P: C51.2 C52.2 R47.2 U1.P1 U5.J7
DRAM_SDQS0_N: U1.P7 U5.G3
DRAM_SDQS0_P: U1.P6 U5.F3
DRAM_SDQS1_N: U1.T2 U5.B7
DRAM_SDQS1_P: U1.T1 U5.C7
DRAM_SDWE_B: U1.J1 U5.L3
DRAM_VREF: C53.1 C54.1 C56.2 C57.1 C66.2 R54.1 R55.2 U1.P4 U5.H1 U5.M8
DRAM_ZQ0: R48.1 U5.L8
DRAM_ZQ1: R49.1 U5.L9
ECSP14_MISO: J1.31 R46.2
ECSP14_MOSI: J1.32 U1.B15
ECSP14_SCLK: J1.35 U1.A16
ECSP14_SS0: J1.34 U1.D16
ECSPI3_SCLK: J2.41 U1.J16
ECSPI3_SS0: J2.42 U1.J17
EMMC_VDDIM: C41.2 C42.2 U3.C2
ENET1_CRS_DV: J2.25 U1.E16
ENET1_INT: J2.11 U1.N8
ENET1_RST: J2.10 U1.N10
ENET1_RXD0: J2.26 U1.F16
ENET1_RXD1: J2.24 U1.E17
ENET1_RXER: J2.30 U1.D15
ENET1_TX_CLK: J2.29 R44.2
ENET1_TXD0: J2.23 U1.E15
ENET1_TXD1: J2.28 U1.E14
ENET1_TXEN: J2.27 U1.F15
ENET2_CRS_DV: J1.33 U1.B17
ENET2_INT: J1.39 U1.N11
ENET2_RST: J2.9 U1.N9
ENET2_RXD0: J1.38 U1.C17
ENET2_RXD1: J1.37 U1.C16
ENET2_TXD0: J1.36 U1.A15
ENET_MDC: J2.45 U1.L16
ENET_MDIO: J2.44 U1.K17
GBC_LED: J2.22 R27.1 U1.P15
GND: C1.1 C2.2 C3.2 C4.2 C5.2 C6.1 C7.2 C8.2 C9.2 C10.1 C11.1 C12.2 C13.1 C14.1 C15.1 C16.1 C17.1 C18.1 C19.1 C20.1 C21.1 C22.1 C23.1 C24.1 C25.1 C26.1 C27.1 C28.1 C29.1 C30.1 C31.1 C32.1 C33.1 C34.1 C35.1 C36.2 C37.1 C38.1 C39.1 C40.1 C41.1 C42.1 C43.2 C44.1 C45.1 C46.1 C47.1 C48.2 C49.2 C50.1 C53.2 C54.2 C55.1 C56.1 C58.1 C59.1 C60.1 C61.1 C62.1 C63.1 C64.1 C65.1 C66.1 C67.1 C68.1 C69.1 C70.1 C71.1 C72.1 C73.1 C74.1 C75.1 C76.1 C77.1 C78.1 C79.1 C80.1 C81.1 C82.1 C83.1 C84.1 C85.1 C86.1 C87.1 C88.1 C89.1 C90.1 C91.1 C92.2 C93.1 C94.1 C95.1 C96.1 C97.1 C98.1 C99.1 C101.1 C102.1 C103.1 C104.1 C105.1 C106.1 C107.1 C108.1 J2.59 J2.60 LED1.2 Q2.1 Q4.1 Q6.1 Q7.1 R4.1 R5.1 R6.2 R7.2 R8.2 R9.2 R10.2 R11.2 R12.2 R13.2 R14.2 R15.2 R16.2 R17.2 R18.2 R19.2 R20.2 R21.2 R22.2 R23.2 R24.2 R25.2 R27.2 R38.1 R48.2 R49.2 R50.1 R51.1 R52.1 R53.1 R55.1 R61.1 R62.1 R63.1 R66.1 R73.1 R75.1 R76.1 R81.1 R87.1 R88.2 R89.2 U1.A1 U1.A17 U1.C3 U1.C7 U1.C11 U1.C15 U1.E8 U1.E11 U1.F6 U1.F7 U1.F8 U1.F9 U1.F10 U1.F11 U1.F12 U1.G3 U1.G5 U1.G7 U1.G12 U1.G15 U1.H7 U1.H12 U1.J5 U1.J7 U1.J12 U1.K7 U1.K12 U1.L3 U1.L7 U1.L12 U1.M7 U1.M8 U1.M9 U1.M10 U1.M11 U1.M12 U1.N3 U1.N5 U1.N7 U1.R3 U1.R5 U1.R7 U1.R11 U1.R16 U1.R17 U1.T14 U1.U1 U1.U14 U1.U17 U2.1 U3.C4 U3.E7 U3.G5 U3.H10 U3.K8 U3.N2 U3.N5 U3.P4 U3.P6 U4.13 U4.25 U4.36 U4.48 U5.A9 U5.B1 U5.B3 U5.B9 U5.D1 U5.D8 U5.E1 U5.E2 U5.E8 U5.F9 U5.G1 U5.G8 U5.G9 U5.J2 U5.J8 U5.M1 U5.M9 U5.P1 U5.P9 U5.T1 U5.T9 U6.4 U6.6 U7.1 U8.4 U8.6 U9.2 U10.1 U11.4 U11.6 U12.1 Y2.2 Y2.4
GPIO0: J2.51 U1.K13
GPIO_3: J2.47 U1.L17
GPIO_5: J1.47 Q5.2 R75.2 U1.M17
GPIO_DVFS: Q1.2 Q3.2 R62.2 R63.2 U1.P10 U1.U9
HDMI_INT: J2.48 U1.K15
I2C1_SCL: J2.33 U1.G17
I2C1_SDA: J2.34 U1.G16
I2C2_SCL: J2.31 U1.F17
I2C2_SDA: J2.32 U1.G13
JTAG_nTRST: J2.21 U1.N14
JTAG_TCK: J2.19 R25.1 U1.M14
JTAG_TDI: J2.17 U1.N16
JTAG_TDO: J2.18 U1.N15
JTAG_TMS: J2.20 U1.P14
LCD_DE: J1.46 U1.B8
LCD_HSYNC: J1.44 U1.D9
LCD_PCLK: J1.45 R43.1
LCD_VSYNC: J1.43 U1.C9
NAND_ALE: R38.2 U1.B4 U3.K5 U4.17
NAND_CE1N: R41.1 U1.C5 U4.9
NAND_CE2N: R42.1 U1.B5 U4.10
NAND_CLE: U1.A4 U4.16
NAND_DATA0: R91.1 U1.D7 U3.A3 U4.29
NAND_DATA1: U1.B7 U3.A4 U4.30
NAND_DATA2: U1.A7 U3.A5 U4.31
NAND_DATA3: U1.D6 U3.B2 U4.32
NAND_DATA4: U1.C6 U3.B3 U4.41
NAND_DATA5: U1.B6 U3.B4 U4.42
NAND_DATA6: U1.A6 U3.B5 U4.43
NAND_DATA7: U1.A5 U3.B6 U4.44
NAND_DQS: R37.1 U4.35
NAND_nRE: R35.1 U3.M6 U4.8
NAND_nREADY: R39.2 U1.A3
NAND_nWE: R36.1 R90.1 U3.M5 U4.18
NAND_nWP: U1.D5 U4.19
NAND_RB0: R39.1 R40.1 U4.4 U4.5 U4.6 U4.7
NetC2_1: C2.1 U1.T11 Y1.2
NetC3_1: C3.1 U1.U11 Y1.1
NetC4_1: C4.1 U1.T12
NetC5_1: C5.1 C6.2 U1.R12
NetC10_2: C10.2 U1.L13
NetC11_2: C11.2 R31.2 U2.3
NetC12_1: C12.1 R32.2 Y2.3
NetC14_2: C14.2 R32.1 Y2.1
NetC29_2: C29.2 C30.2 U1.P13
NetC31_2: C31.2 D1.2 D2.2 U1.P12
NetC32_2: C32.2 U1.N12
NetC81_2: C81.2 C82.2 L1.1 R56.2 R57.2 R58.2 R59.2 R82.2 TP3.1 U6.5
NetC85_2: C85.2 R60.2 U6.8
NetC89_2: C89.2 C90.2 L2.1 R64.2 R65.2 R83.2 TP5.1 U8.5
NetC92_1: C92.1 R67.2 U8.8 U10.2
NetC99_2: C99.2 D3.2 R74.2
NetC100_2: C100.2 D4.2 R76.2
NetC103_2: C103.2 C104.2 L3.1 R78.2 R80.1 R86.1 TP7.1 U11.5
NetC105_2: C105.2 R79.1 U11.8
NetD3_1: D3.1 D4.1 U10.3
NetL1_2: L1.2 U6.3
NetL2_2: L2.2 U8.3
NetL3_2: L3.2 U11.3
NetLED1_1: LED1.1 R84.1
NetQ1_1: Q1.1 Q3.1 R56.1 R61.2 U6.7
NetQ1_3: Q1.3 R57.1
NetQ2_3: Q2.3 R59.1
NetQ3_3: Q3.3 R58.1
NetQ4_3: Q4.3 R65.1
NetQ5_1: Q5.1 R68.1 R73.2 U9.4
NetQ5_3: Q5.3 R69.1
NetQ6_3: Q6.3 R70.2 R72.2
NetQ7_3: Q7.3 R80.2
NetR28_2: R28.2 U1.C1
NetR33_1: R33.1 U2.2
NetR35_2: R35.2 U1.D8
NetR36_2: R36.2 U1.C8
NetR37_2: R37.2 U1.E6
NetR43_2: R43.2 U1.A8
NetR44_1: R44.1 U1.F14
NetR45_2: R45.2 U1.E9
NetR46_1: R46.1 U1.D17
NetR64_1: R64.1 R66.2 U8.7
NetR71_2: R71.2 U8.1
NetR78_1: R78.1 R81.2 U11.7
nUSB_OTG_CHD: J2.52 U1.U16
NVCC_CS: C43.1 U1.F4
NVCC_SD: C8.1 C93.2 C94.2 R29.1 R30.1 R68.2 R69.2 TP6.1 U1.C4 U9.5
nWDOG: C100.1 R45.1
ONOFF: J2.4 U1.R8
PERI_PWREN: J2.12 U1.P11
PMIC_ON_REQ: J1.41 Q6.2 R67.1 U1.T9
POR_B: C13.2 R26.2 R33.2 U1.P8
RESET: J1.40 R74.1
SD1_CD: J2.43 U1.J14
SD1_CLK: C9.1 J1.54 R28.1
SD1_CMD: J1.53 R29.2 U1.C2
SD1_DATA0: J1.49 R30.2 U1.B3
SD1_DATA1: J1.50 U1.B2
SD1_DATA2: J1.52 U1.B1
SD1_DATA3: J1.51 U1.A2
UART1_RXD: J2.46 U1.K16
UART1_TXD: J2.50 U1.K14
UART2_CTS_BB: J2.38 U1.H17
UART2_RTS_BB: J2.37 U1.H16
USB_OTG1_DN: J2.53 U1.T15
USB_OTG1_DP: J2.54 U1.U15
USB_OTG1_VBUS: J2.57
USB_OTG2_DN: J2.55 U1.T13
USB_OTG2_DP: J2.56 U1.U13
USB_OTG2_VBUS: C7.1 J2.58 U1.U12
VDD_ARM_CAP: C15.2 C16.2 C17.2 U1.G9 U1.G10 U1.G11 U1.H11
VDD_ARM_SOC_IN: C18.2 C19.2 C20.2 R82.1 U1.H9 U1.H10 U1.J9 U1.J10 U1.K9 U1.K10
VDD_COIN_3V: J1.42
VDD_COIN_3V3: D2.1
VDD_HIGH_CAP: C27.2 C28.2 C55.2 U1.N6 U1.R14 U1.R15
VDD_HIGH_IN: C25.2 C26.2 R77.1 U1.N13
VDD_SNVS_3V3: C83.2 C84.2 C97.2 D1.1 R70.1 TP4.1 U7.2 U10.4
VDD_SNVS_IN: R26.1
VDD_SOC_CAP: C21.2 C22.2 C23.2 C24.2 U1.G8 U1.H8 U1.J8 U1.J11 U1.K8 U1.K11 U1.L8 U1.L9 U1.L10 U1.L11
XTALI: U1.T16
XTALO: U1.T17
ZQPAD: R53.2 U1.N4
pads on no net: U1.R13 U3.A8 U3.A9 U3.A10 U3.A11 U3.A12 U3.A13 U3.A14 U3.B1 U3.B7 U3.B8 U3.B9 U3.B10 U3.B11 U3.B12 U3.B13 U3.B14 U3.C5 U3.C7 U3.C8 U3.C9 U3.C10 U3.C11 U3.C12 U3.C13 U3.C14 U3.D3 U3.D4 U3.D12 U3.D13 U3.D14 U3.E1 U3.E2 U3.E3 U3.E5 U3.E8 U3.E9 U3.E10 U3.E12 U3.E13 U3.E14 U3.F1 U3.F2 U3.F3 U3.F10 U3.F12 U3.F13 U3.F14 U3.G1 U3.G2 U3.G3 U3.G10 U3.G12 U3.G13 U3.G14 U3.H1 U3.H2 U3.H3 U3.H5 U3.H12 U3.H13 U3.H14 U3.J1 U3.J2 U3.J3 U3.J5 U3.J12 U3.J13 U3.J14 U3.K6 U3.K7 U3.K10 U3.K12 U3.K13 U3.K14 U3.L1 U3.L2 U3.L3 U3.L12 U3.L13 U3.L14 U3.M1 U3.M2 U3.M3 U3.M7 U3.M8 U3.M9 U3.M10 U3.M11 U3.M12 U3.M13 U3.M14 U3.N3 U3.N8 U3.N9 U3.N10 U3.N11 U3.N12 U3.N13 U3.N14 U3.P1 U3.P2 U3.P9 U3.P10 U3.P11 U3.P12 U3.P13 U3.P14 U4.1 U4.2 U4.3 U4.11 U4.14 U4.15 U4.20 U4.21 U4.22 U4.23 U4.24 U4.26 U4.27 U4.28 U4.33 U4.34 U4.38 U4.40 U4.45 U4.46 U4.47 U6.1 U11.1

## Silkscreen, mask and mechanical layers (free items; w line width, h text height)
Top Overlay:
  text "BOOT MAP" at 21.59,81.788 h0.6
  text "RESET" at 22.352,73.533 h0.6
Mechanical 1:
  the board outline again, w0.254